# Altium PCB PCB1.PcbDoc (part 2 of 2)
Units mil, origin at the board's own origin, x right, y up, seen from the top; angles counter-clockwise.
Board outline 2485 x 2170 mil, 4 copper layers (Top Layer, Internal Plane 1, Internal Plane 2, Bottom Layer); 41 components, 55 nets, 243 pads, 48 vias.
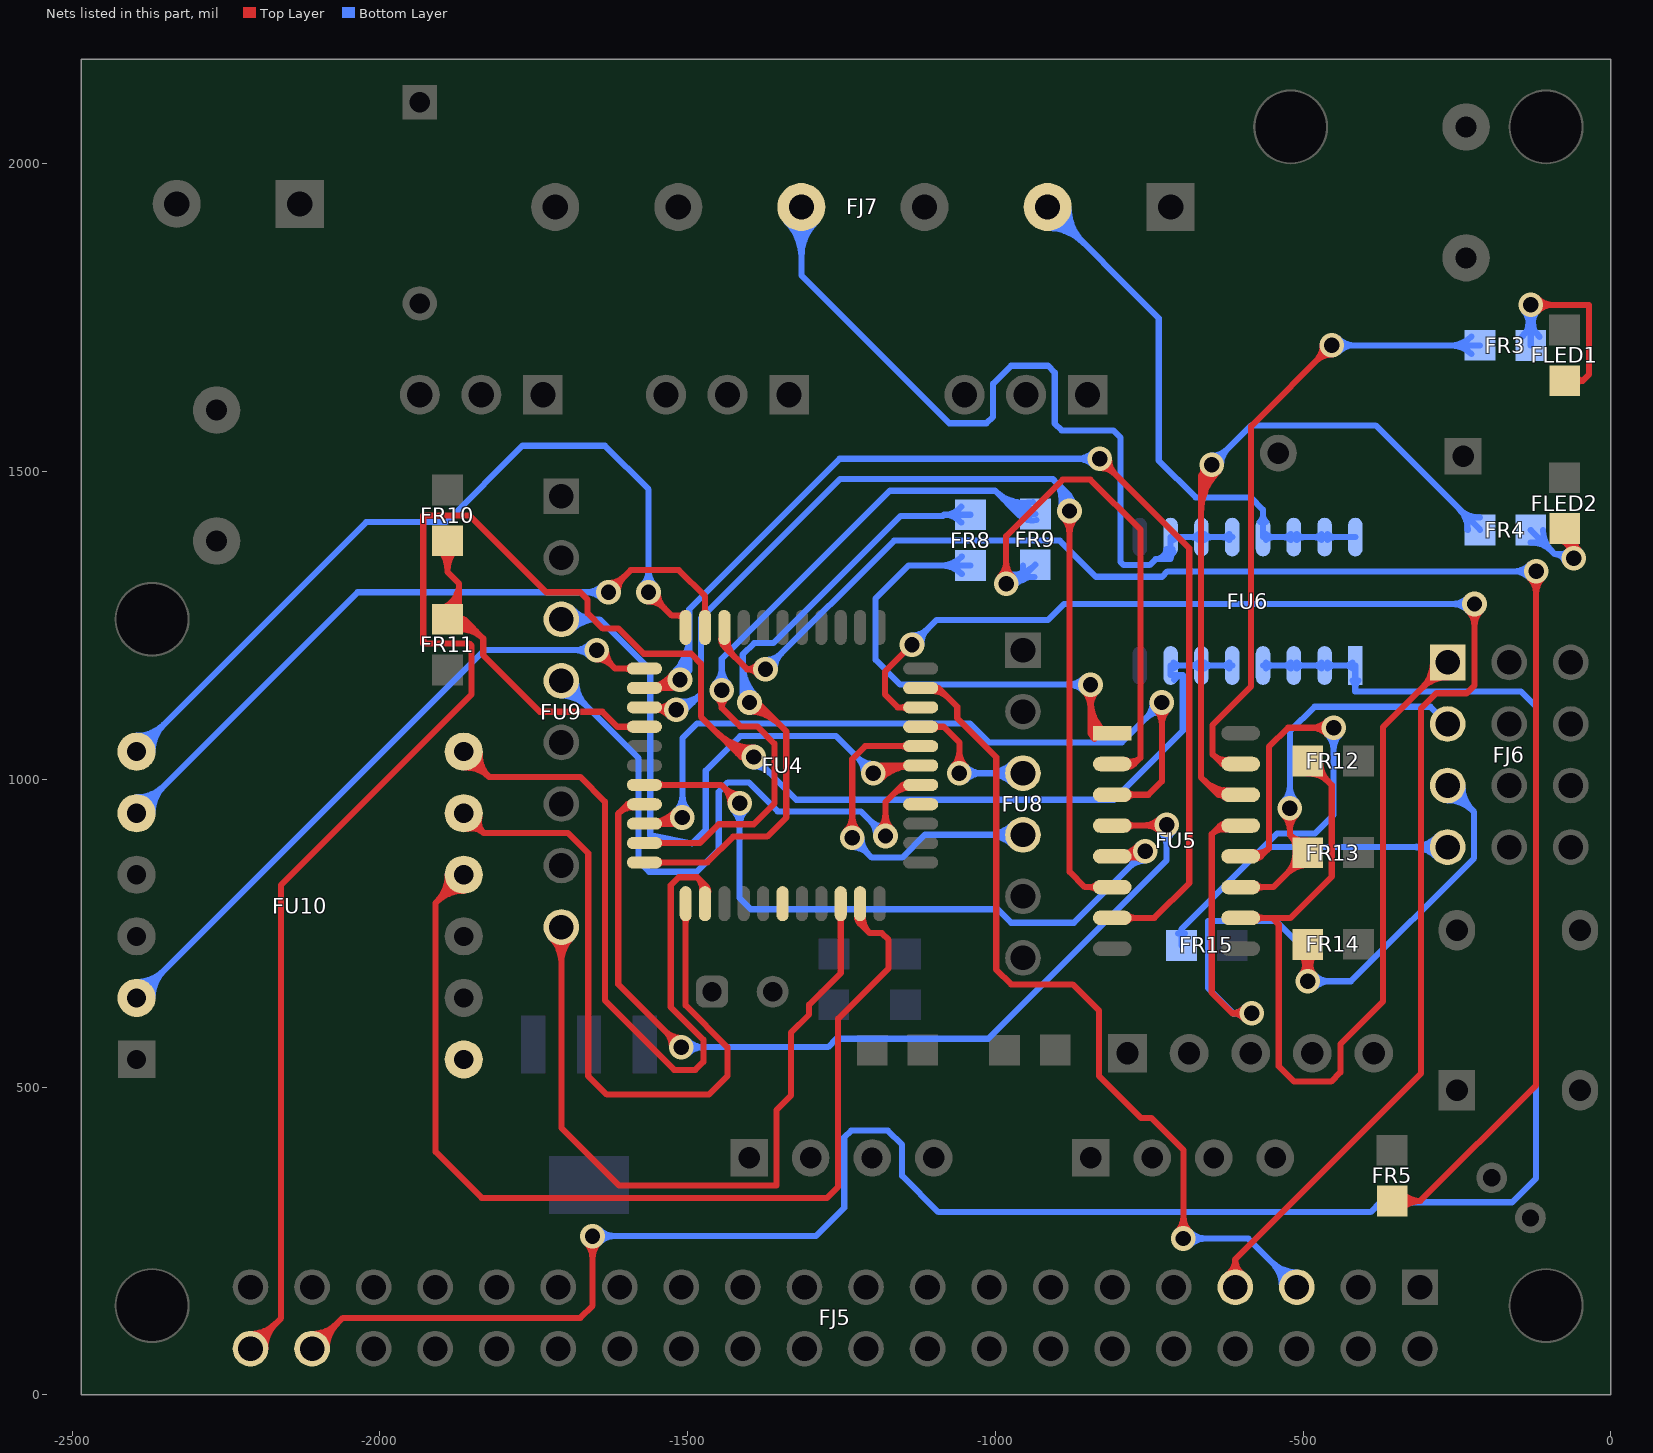
[diagram p4: the nets of this part, all layers, seen from the top]

## Via types
v1: diameter 40, hole 25, Top Layer to Bottom Layer, 48 vias

## Nets (pads, with @x,y where several pads share a name; then routed paths per layer and width w, separated by ;. In a path a pad name is that pad's centre, name@x,y a point inside that pad or via, vN(x,y) a via of type N, cw(c..) or ccw(c..) an arc to the next point about the centre after c; other vN are vias at no path point) (continued)
NetFJ5_5: FJ5.5 FU4.32 | length 1674.8
  Top Layer w10: FU4.32@-1121.18,1148.5 -1092.32,1148.5 ; FU4.32@-1102.48,1143.66 cw(c-1102.48,1107.43) -1076.86,1133.05 ; FU4.32@-1098.72,1145.45 cw(c-1092.32,1140.26) -1092.32,1148.5 ; FU4.32@-1098.72,1151.55 ccw(c-1092.32,1156.75) -1092.32,1148.5 ; v1@-704.9,264.6 ccw(c-730.51,290.21) -694.29,290.21 ccw(c-658.08,290.21) v1@-683.69,264.6 ; v1(-694.29,253.99) -694.29,397.99 -746.29,449.99 -763.29,449.99 -831.29,517.99 -831.29,623.99 -874.29,666.99 -974.29,666.99 -998.29,690.99 -998.29,1036 -1061.8,1099.51 -1061.8,1117.99 -1092.32,1148.5
  Bottom Layer w10: v1(-694.29,253.99) -588.99,253.99 FJ5.5@-510,175 ; v1@-683.69,243.39 cw(c-658.08,217.78) -658.08,253.99 cw(c-658.08,290.21) v1@-683.69,264.6 ; FJ5.5@-534,175 ccw(c-591.94,175) -550.97,215.97 ccw(c-510,256.94) FJ5.5@-510,199 ; FJ5.5@-524,175 ccw(c-557.8,175) -533.9,198.9 ccw(c-510,222.8) FJ5.5@-510,189
NetFJ5_7: FJ5.7 FU4.31 | length 2655.7
  Top Layer w10: FU4.31@-1143.3,1113.58 ccw(c-1151.57,1105.32) -1151.57,1117.01 ccw(c-1151.57,1128.7) FU4.31@-1143.3,1120.43 ; v1(-1135.29,1218.99) -1179.29,1174.99 -1179.29,1137.99 -1158.31,1117.01 FU4.31@-1121.18,1117.01 ; FJ5.7@-623.44,194.88 ccw(c-640.54,220.19) -610,220.19 ; FJ5.7@-610,175 -610,220.19 ; FJ5.7@-596.56,194.88 cw(c-579.46,220.19) -610,220.19 ; v1@-231.9,1274.39 cw(c-257.51,1248.78) -221.29,1248.78 cw(c-185.08,1248.78) v1@-210.69,1274.39 ; v1(-221.29,1284.99) -221.29,1152.99 -234.29,1139.99 -283.29,1139.99 -308.29,1114.99 -308.29,521.9 -610,220.19
  Bottom Layer w10: v1(-1135.29,1218.99) -1095.29,1258.99 -914.29,1258.99 -888.29,1284.99 v1(-221.29,1284.99) ; v1@-1135.29,1233.99 ccw(c-1135.29,1270.21) -1109.69,1244.6 ccw(c-1084.08,1218.99) v1@-1120.29,1218.99 ; v1@-231.9,1274.39 ccw(c-257.51,1248.78) -257.51,1284.99 ccw(c-257.51,1321.21) v1@-231.9,1295.6
NetFJ5_38: FJ5.38 FU6.1 FU6.2 FU6.3 FU6.4 | length 4076.9
  Top Layer w10: FJ5.38@-2110,75 -2060.01,124.99 -1674.29,124.99 -1654.29,144.99 v1(-1654.29,257.99) ; FJ5.38@-2110,89 ccw(c-2110,122.8) -2086.1,98.9 ccw(c-2062.2,75) FJ5.38@-2096,75 ; FJ5.38@-2110,99 ccw(c-2110,156.94) -2069.03,115.97 ccw(c-2028.06,75) FJ5.38@-2086,75 ; v1@-1664.9,247.39 cw(c-1690.51,221.78) -1654.29,221.78 cw(c-1618.08,221.78) v1@-1643.69,247.39
  Bottom Layer w10: v1(-1654.29,257.99) -1291.29,257.99 -1245.29,303.99 -1245.29,418.51 -1234.29,429.51 -1174.29,429.51 -1151.29,406.51 -1151.29,355.99 -1092.29,296.99 -390.29,296.99 -374.29,312.99 -160.19,312.99 -121.29,351.89 -121.29,1117.99 -146.29,1142.99 -415,1142.99 FU6.1@-415,1185 FU6.2@-465,1185 FU6.3@-515,1185 FU6.4@-565,1185 ; v1@-1643.69,247.39 cw(c-1618.08,221.78) -1618.08,257.99 cw(c-1618.08,294.21) v1@-1643.69,268.6 ; FU6.4@-560.18,1180.18 cw(c-548.56,1168.56) -548.56,1185 cw(c-548.56,1201.44) FU6.4@-560.18,1189.82 ; FU6.3@-519.82,1180.18 ccw(c-531.44,1168.56) -531.44,1185 ccw(c-531.44,1201.44) FU6.3@-519.82,1189.82 ; FU6.3@-510.18,1180.18 cw(c-498.56,1168.56) -498.56,1185 cw(c-498.56,1201.44) FU6.3@-510.18,1189.82 ; FU6.2@-469.82,1180.18 ccw(c-481.44,1168.56) -481.44,1185 ccw(c-481.44,1201.44) FU6.2@-469.82,1189.82 ; FU6.2@-460.18,1180.18 cw(c-448.56,1168.56) -448.56,1185 cw(c-448.56,1201.44) FU6.2@-460.18,1189.82 ; FU6.1@-419.82,1160.5 cw(c-431.44,1148.87) -415,1148.87 cw(c-398.56,1148.87) FU6.1@-410.18,1160.5 ; FU6.1@-419.82,1180.18 ccw(c-431.44,1168.56) -431.44,1185 ccw(c-431.44,1201.44) FU6.1@-419.82,1189.82
NetFJ5_40: FJ5.40 FU6.5 FU6.6 FU6.7 | length 3802.9
  Top Layer w10: FJ5.40@-2210,75 -2160.29,124.71 -2160.29,828.5 -1850.8,1137.99 -1850.8,1216.99 -1854.8,1220.99 -1929.29,1220.99 -1929.29,1428.99 -1854.29,1428.99 -1729.29,1303.99 -1674.29,1303.99 -1662.29,1291.99 -1662.29,1269.9 -1637.38,1244.99 -1612.01,1244.99 -1571,1203.99 -1494.29,1203.99 -1478.29,1187.99 -1478.29,1101.99 -1412.67,1036.37 v1(-1392.67,1036.37) ; FJ5.40@-2210,89 ccw(c-2210,122.8) -2186.1,98.9 ccw(c-2162.2,75) FJ5.40@-2196,75 ; FJ5.40@-2210,99 ccw(c-2210,156.94) -2169.03,115.97 ccw(c-2128.06,75) FJ5.40@-2186,75 ; -1452.42,1076.12 ccw(c-1392.67,1135.87) v1@-1392.67,1051.37 ; -1435.35,1059.05 ccw(c-1392.67,1101.73) v1@-1392.67,1041.37 ; -1418.28,1041.98 ccw(c-1392.67,1067.58) v1@-1392.67,1031.37
  Bottom Layer w10: v1@-1392.67,1021.37 cw(c-1392.67,985.16) -1367.06,1010.76 cw(c-1341.46,1036.37) v1@-1377.67,1036.37 ; v1(-1392.67,1036.37) -1323.29,966.99 -807.29,966.99 -695.29,1078.99 -695.29,1169.64 ; FU6.7@-710.18,1180.18 cw(c-698.56,1168.56) -698.56,1185 cw(c-698.56,1201.44) FU6.7@-710.18,1189.82 ; FU6.7@-709.17,1161.8 cw(c-695.29,1153.44) -695.29,1169.64 ; FU6.6@-669.82,1180.18 ccw(c-681.44,1168.56) -681.44,1185 ccw(c-681.44,1201.44) FU6.6@-669.82,1189.82 ; FU6.6@-660.18,1180.18 cw(c-648.56,1168.56) -648.56,1185 cw(c-648.56,1201.44) FU6.6@-660.18,1189.82 ; FU6.5@-619.82,1180.18 ccw(c-631.44,1168.56) -631.44,1185 ccw(c-631.44,1201.44) FU6.5@-619.82,1189.82 ; FU6.5@-615,1185 FU6.6@-665,1185 FU6.7@-715,1185 -715,1169.64 -695.29,1169.64
NetFJ6_1: FJ6.1 FR12.2 FU5.10 | length 1725.9
  Top Layer w10: FU5.10@-601.34,775 -550.29,775 ; FU5.10@-576.84,770.18 cw(c-565.21,758.56) -565.21,775 cw(c-565.21,791.44) FU5.10@-576.84,779.82 ; FR12.2@-492.3,1009.8 cw(c-492.3,961.52) -458.16,995.66 cw(c-424.02,1029.8) FR12.2@-472.3,1029.8 ; FR12.2@-492.3,1029.8 -453.29,990.79 -453.29,841.99 -520.28,775 -550.29,775 ; FJ6.1@-289,1190 cw(c-346.94,1190) -305.97,1149.03 cw(c-265,1108.06) FJ6.1@-265,1166 ; FJ6.1@-279,1190 cw(c-312.8,1190) -288.9,1166.1 cw(c-265,1142.2) FJ6.1@-265,1176 ; FJ6.1@-265,1190 -370.29,1084.71 -370.29,638.99 -439.29,569.99 -439.29,523.99 -454.29,508.99 -514.29,508.99 -539.29,533.99 -539.29,764 -550.29,775
NetFJ6_4: FJ6.4 FR13.2 FU5.11 | length 899.4
  Top Layer w10: FU5.11@-601.34,825 -548.1,825 FR13.2@-492.3,880.8 -521.29,909.79 ; FU5.11@-576.84,820.18 cw(c-565.21,808.56) -565.21,825 cw(c-565.21,841.44) FU5.11@-576.84,829.82 ; v1@-531.9,942.39 cw(c-557.51,916.78) -521.29,916.78 cw(c-485.08,916.78) v1@-510.69,942.39 ; v1(-521.29,952.99) -521.29,909.79 ; FR13.2@-512.3,880.8 cw(c-560.58,880.8) -526.44,846.66 cw(c-492.3,812.52) FR13.2@-492.3,860.8 ; FR13.2@-512.15,883.24 ccw(c-543.93,887.15) -521.29,909.79 ; FR13.2@-494.74,900.65 cw(c-498.65,932.43) -521.29,909.79
  Bottom Layer w10: v1@-531.9,963.6 ccw(c-557.51,989.21) -521.29,989.21 ccw(c-485.08,989.21) v1@-510.69,963.6 ; v1(-521.29,952.99) -521.29,1077.99 -481.29,1117.99 -292.99,1117.99 FJ6.4@-265,1090
NetFJ6_7: FJ6.7 FR14.2 FU5.13 | length 1988.5
  Top Layer w10: -635.55,923.74 cw(c-623.99,912.19) FU5.13@-620.3,928.11 ; FU5.13@-626.56,921.03 ccw(c-634.29,915.48) -634.29,925 ; FU5.13@-626.56,928.97 cw(c-634.29,934.52) -634.29,925 ; FU5.13@-622.56,918.37 ccw(c-628.79,891.5) -648.29,911 ; FU5.13@-601.34,925 -634.29,925 ; v1@-594.97,610.58 ccw(c-614.63,594.75) -614.63,619.99 ; v1@-594.97,629.4 cw(c-614.63,645.24) -614.63,619.99 ; v1(-583.29,619.99) -614.64,619.99 ; FR14.2@-506.44,717.66 cw(c-540.58,683.52) -492.3,683.52 cw(c-444.02,683.52) FR14.2@-478.16,717.66 ; v1@-502.91,682.6 ccw(c-528.51,708.21) -492.3,708.21 ccw(c-456.09,708.21) v1@-481.69,682.6 ; v1@-502.85,682.65 ccw(c-517.37,697.33) -497.43,702.67 ; v1@-499.8,684.98 ccw(c-512.82,707.53) -487.67,700.79 ; -496.93,700.79 ccw(c-471.79,707.53) v1@-484.8,684.98 ; v1(-492.3,671.99) FR14.2@-492.3,731.8 ; -487.17,702.67 ccw(c-467.23,697.32) v1@-481.75,682.65 ; -648.29,911 -648.29,653.65 -614.64,619.99 ; -648.29,911 -634.29,925
  Bottom Layer w10: v1@-595.29,610.99 ccw(c-613.29,597.49) -613.29,619.99 ; v1@-595.29,628.99 cw(c-613.29,642.49) -613.29,619.99 ; v1(-583.29,619.99) -613.29,619.99 ; v1@-502.91,682.6 ccw(c-528.53,708.22) -492.29,708.22 ; -492.29,708.19 ccw(c-456.11,708.19) -481.69,682.6 ccw(c-456.09,708.21) -456.09,671.99 ccw(c-456.09,635.78) v1@-481.69,661.39 ; FJ6.7@-265,966 cw(c-265,908.06) -224.03,949.03 cw(c-183.06,990) FJ6.7@-241,990 ; FJ6.7@-265,976 cw(c-265,942.2) -241.1,966.1 cw(c-217.2,990) FJ6.7@-251,990 ; FJ6.7@-265,990 -222,947 -222,872.19 -422.2,671.99 v1(-492.3,671.99) -492.29,717.99 -544.29,769.99 -654.29,769.99 -654.29,660.99 -613.29,619.99
NetFJ6_10: FJ6.10 FR15.2 FU5.12 | length 1465.3
  Top Layer w10: FU5.12@-601.34,875 -568.28,875 ; FU5.12@-582.51,871.93 ccw(c-578.34,886.85) -567.39,875.89 ; FU5.12@-579.82,881.56 ccw(c-573.06,905.76) -555.29,887.99 ; FU5.12@-576.14,871 cw(c-568.28,865.29) -568.28,875 ; FU5.12@-576.14,879 ccw(c-568.28,884.71) -568.28,875 ; v1@-460.9,1073.39 ccw(c-486.51,1047.78) -486.51,1083.99 ccw(c-486.51,1120.21) v1@-460.9,1094.6 ; v1(-450.29,1083.99) -524.29,1083.99 -555.29,1052.99 -555.29,887.99 ; -568.28,875 -555.29,887.99
  Bottom Layer w10: FR15.2@-702.97,749.38 ccw(c-705.22,756.97) -697.3,756.97 ; FR15.2@-697.3,730.2 -697.3,756.97 ; FR15.2@-691.63,749.38 cw(c-689.38,756.97) -697.3,756.97 ; v1@-460.9,1073.39 cw(c-486.51,1047.78) -450.29,1047.78 cw(c-414.08,1047.78) v1@-439.69,1073.39 ; v1(-450.29,1083.99) -450.29,942.24 -480.34,912.19 -542.09,912.19 -564.27,890 ; FJ6.10@-281.97,873.03 ccw(c-322.94,832.06) -322.94,890 ccw(c-322.94,947.94) FJ6.10@-281.97,906.97 ; FJ6.10@-274.9,880.1 ccw(c-298.8,856.2) -298.8,890 ccw(c-298.8,923.8) FJ6.10@-274.9,899.9 ; FJ6.10@-265,890 -564.27,890 ; -697.3,756.97 -564.27,890
NetFJ7_2: FJ7.2 FU6.13 FU6.14 FU6.15 FU6.16 | length 1258.5
  Bottom Layer w10: FJ7.2@-915,1896 cw(c-915,1813.92) -856.96,1871.96 cw(c-798.92,1930) FJ7.2@-881,1930 ; FJ7.2@-915,1906 cw(c-915,1848.06) -874.03,1889.03 cw(c-833.06,1930) FJ7.2@-891,1930 ; FJ7.2@-915,1930 -734.29,1749.29 -734.29,1517.99 -674.29,1457.99 -585,1457.99 -565,1437.99 FU6.13@-565,1393.66 FU6.14@-515,1393.66 FU6.15@-465,1393.66 FU6.16@-415,1393.66 ; FU6.13@-569.82,1418.16 ccw(c-581.44,1429.79) -565,1429.79 ccw(c-548.56,1429.79) FU6.13@-560.18,1418.16 ; FU6.13@-560.18,1388.85 cw(c-548.56,1377.22) -548.56,1393.66 cw(c-548.56,1410.11) FU6.13@-560.18,1398.48 ; FU6.14@-519.82,1388.85 ccw(c-531.44,1377.22) -531.44,1393.66 ccw(c-531.44,1410.11) FU6.14@-519.82,1398.48 ; FU6.14@-510.18,1388.85 cw(c-498.56,1377.22) -498.56,1393.66 cw(c-498.56,1410.11) FU6.14@-510.18,1398.48 ; FU6.15@-469.82,1388.85 ccw(c-481.44,1377.22) -481.44,1393.66 ccw(c-481.44,1410.11) FU6.15@-469.82,1398.48 ; FU6.15@-460.18,1388.85 cw(c-448.56,1377.22) -448.56,1393.66 cw(c-448.56,1410.11) FU6.15@-460.18,1398.48
NetFJ7_4: FJ7.4 FU6.10 FU6.11 FU6.12 | length 1746.1
  Bottom Layer w10: FJ7.4@-1339.04,1905.96 cw(c-1397.08,1847.92) -1315,1847.92 cw(c-1232.92,1847.92) FJ7.4@-1290.96,1905.96 ; FJ7.4@-1331.97,1913.03 cw(c-1372.94,1872.06) -1315,1872.06 cw(c-1257.06,1872.06) FJ7.4@-1298.03,1913.03 ; FJ7.4@-1315,1930 -1315,1818.7 -1074.8,1578.5 -1014.29,1578.5 -1003.5,1589.29 -1003.5,1642.78 -974.29,1671.99 -914.29,1671.99 -903.29,1660.99 -903.29,1577.99 -892.29,1566.99 -808.29,1566.99 -796.29,1554.99 -796.29,1353.17 -791.29,1348.17 -749.12,1348.17 -739.29,1357.99 ; -728.64,1357.99 ccw(c-728.64,1374.84) FU6.10@-711.82,1373.77 ; FU6.10@-721.8,1374.41 cw(c-739.29,1375.52) -739.29,1357.99 ; FU6.10@-710.18,1388.85 cw(c-698.56,1377.22) -698.56,1393.66 cw(c-698.56,1410.11) FU6.10@-710.18,1398.48 ; FU6.11@-669.82,1388.85 ccw(c-681.44,1377.22) -681.44,1393.66 ccw(c-681.44,1410.11) FU6.11@-669.82,1398.48 ; FU6.11@-660.18,1388.85 cw(c-648.56,1377.22) -648.56,1393.66 cw(c-648.56,1410.11) FU6.11@-660.18,1398.48 ; FU6.12@-619.82,1388.85 ccw(c-631.44,1377.22) -631.44,1393.66 ccw(c-631.44,1410.11) FU6.12@-619.82,1398.48 ; FU6.12@-615,1393.66 FU6.11@-665,1393.66 FU6.10@-715,1393.66 -715,1357.99 ; -739.29,1357.99 -715,1357.99 ; -715,1357.99 cw(c-699.65,1357.99) -710.28,1369.06 ccw(c-699.65,1357.99) -715,1357.99 ; -715,1357.99 ccw(c-730.35,1357.99) -719.72,1369.06 cw(c-730.35,1357.99) -715,1357.99
NetFLED1_K: FLED1.2 FR3.1 | length 617.8
  Top Layer w10: v1(-130,1770.99) -35.29,1770.99 -35.29,1657.99 -45.58,1647.7 ; v1@-119.39,1760.39 cw(c-93.79,1734.78) -93.79,1770.99 cw(c-93.79,1807.21) v1@-119.39,1781.6 ; FLED1.2@-74.8,1647.7 -45.58,1647.7 ; FLED1.2@-56.15,1640.46 cw(c-45.59,1636.36) -45.59,1647.7 ; FLED1.2@-56.15,1654.94 ccw(c-45.59,1659.04) -45.59,1647.7
  Bottom Layer w10: FR3.1@-144.14,1719.14 ccw(c-178.28,1753.28) -130,1753.28 ccw(c-81.72,1753.28) FR3.1@-115.86,1719.14 ; v1@-140.67,1760.45 cw(c-158.16,1743.17) -134.41,1736.81 ; v1@-140.61,1760.39 cw(c-166.21,1734.78) -130,1734.78 cw(c-93.79,1734.78) v1@-119.39,1760.39 ; v1@-137.5,1758 cw(c-147.78,1740.19) -127.92,1745.51 ; -132.08,1745.51 cw(c-112.22,1740.19) v1@-122.5,1758 ; FR3.1@-130,1705 v1(-130,1770.99) ; -125.59,1736.81 cw(c-101.84,1743.17) v1@-119.33,1760.45
NetFLED2_K: FLED2.2 FR4.1 | length 439.2
  Top Layer w10: FLED2.2@-82.18,1389.11 cw(c-94.97,1356.88) v1@-60.29,1356.88 ; FLED2.2@-78.49,1398.41 cw(c-89.12,1371.61) v1@-60.29,1371.61 ; v1@-70.9,1369.6 ccw(c-96.51,1395.21) -60.29,1395.21 ccw(c-24.08,1395.21) v1@-49.69,1369.6 ; v1@-66.44,1372.68 ccw(c-69.19,1378.82) -62.69,1380.56 ccw(c-52.57,1383.27) v1@-55.75,1373.29 ; v1(-60.29,1358.99) -60.29,1407.7 FLED2.2@-74.8,1407.7 cw(c-83.28,1386.33) FLED2.2@-60.29,1386.33
  Bottom Layer w10: FR4.1@-130,1385 cw(c-130,1336.72) -95.86,1370.86 cw(c-61.72,1405) FR4.1@-110,1405 ; FR4.1@-130,1405 -90.99,1365.99 ; -79.61,1365.99 ccw(c-79.61,1378.31) v1@-70.9,1369.6 ; v1@-74.5,1354.17 ccw(c-90.99,1348.57) -90.99,1365.99 ; v1(-60.29,1358.99) -67.29,1365.99 -90.99,1365.99
NetFR3_2: FR3.2 FU5.15 | length 1254.7
  Top Layer w10: FU5.15@-621.78,1031.77 cw(c-625.19,1062.18) -646.83,1040.54 ; FU5.15@-601.34,1025 -631.29,1025 -646.83,1040.54 ; v1@-468.08,1705.2 cw(c-504.3,1705.2) -478.69,1679.59 cw(c-453.08,1653.99) v1@-453.08,1690.2 ; v1(-453.08,1705.2) -584.29,1573.99 -584.29,1150.99 -646.83,1088.45 -646.83,1040.54
  Bottom Layer w10: v1(-453.08,1705.2) FR3.2@-212.3,1705.2 ; v1@-442.48,1694.59 cw(c-416.87,1668.99) -416.87,1705.2 cw(c-416.87,1741.41) v1@-442.48,1715.81 ; FR3.2@-226.44,1691.06 ccw(c-260.58,1656.92) -260.58,1705.2 ccw(c-260.58,1753.48) FR3.2@-226.44,1719.34
NetFR4_2: FR4.2 FU5.14 | length 1548.5
  Top Layer w10: -665.83,1432.43 cw(c-569.73,1432.43) v1@-637.69,1500.39 ; -665.83,1456.57 cw(c-593.87,1456.57) v1@-644.76,1507.46 ; -665.83,1480.71 cw(c-618.01,1480.71) v1@-651.83,1514.53 ; v1@-662.61,1506.53 cw(c-675.03,1502.65) -665.83,1493.45 ; -660.44,998.14 ccw(c-621.02,1037.55) FU5.14@-621.02,981.81 ; v1@-652.76,1496.67 ccw(c-656.63,1484.25) -665.83,1493.45 ; v1(-648.29,1510.99) -665.83,1493.45 ; -643.37,981.07 ccw(c-621.02,1003.41) FU5.14@-621.02,971.81 ; FU5.14@-625.87,970.22 ccw(c-637.3,958.96) -637.3,975 ; FU5.14@-625.87,979.78 cw(c-637.3,991.04) -637.3,975 ; FU5.14@-601.34,975 -637.3,975 ; -665.83,1493.45 -665.83,1003.53 -637.3,975
  Bottom Layer w10: v1(-648.29,1510.99) -584.29,1574.99 -382.09,1574.99 FR4.2@-212.3,1405.2 ; v1@-648.29,1525.99 ccw(c-648.29,1562.21) -622.69,1536.6 ccw(c-597.08,1510.99) v1@-633.29,1510.99 ; FR4.2@-232.3,1405.2 ccw(c-280.58,1405.2) -246.44,1439.34 ccw(c-212.3,1473.48) FR4.2@-212.3,1425.2
NetFR5_1: FR5.1 FU4.42 | length 2973.4
  Top Layer w10: FU4.42@-1445.24,1228.23 ccw(c-1427.63,1228.23) -1440.08,1215.78 ; FU4.42@-1443.5,1224.81 cw(c-1451.77,1216.54) -1440.08,1216.54 cw(c-1428.39,1216.54) FU4.42@-1436.65,1224.81 ; FU4.42@-1440.08,1246.93 -1440.08,1215.78 ; FU4.42@-1435.24,1228.23 ccw(c-1393.48,1228.23) -1423.01,1198.71 ; v1@-1385.29,1169.99 ccw(c-1403.29,1156.49) -1403.29,1178.99 ; v1@-1385.29,1187.99 cw(c-1403.29,1201.49) -1403.29,1178.99 ; v1(-1373.29,1178.99) -1403.29,1178.99 ; FR5.1@-355,315 -309.28,315 ; FR5.1@-340.31,301.43 cw(c-309.29,272.76) -309.29,315 ; FR5.1@-340.31,328.57 ccw(c-309.29,357.24) -309.29,315 ; v1@-131.9,1327.39 cw(c-157.51,1301.78) -121.29,1301.78 cw(c-85.08,1301.78) v1@-110.69,1327.39 ; v1(-121.29,1337.99) -121.29,502.99 -309.28,315 ; -1440.08,1215.78 -1403.29,1178.99
  Bottom Layer w10: v1(-1373.29,1178.99) -1164.29,1387.99 -895.29,1387.99 -836.47,1329.17 -729.01,1329.17 -720.19,1337.99 v1(-121.29,1337.99) ; v1@-1373.29,1193.99 ccw(c-1373.29,1230.21) -1347.69,1204.6 ccw(c-1322.08,1178.99) v1@-1358.29,1178.99 ; v1@-131.9,1327.39 ccw(c-157.51,1301.78) -157.51,1337.99 ccw(c-157.51,1374.21) v1@-131.9,1348.6
NetFR8_1: FR8.1 FU4.11 | length 1290.8
  Top Layer w10: FU4.11@-1570,865.04 -1468.04,865.04 -1426.09,906.99 -1370.67,906.99 -1339.67,937.99 -1339.67,1077.99 -1386.67,1124.99 v1(-1399.29,1124.99) ; FU4.11@-1547.88,861.62 cw(c-1539.61,853.35) -1539.61,865.04 cw(c-1539.61,876.73) FU4.11@-1547.88,868.46 ; v1@-1399.29,1109.99 cw(c-1399.29,1043.31) -1352.14,1090.46 ; v1@-1399.29,1119.99 cw(c-1399.29,1077.45) -1369.21,1107.53
  Bottom Layer w10: -1410.29,1163.62 ccw(c-1360.66,1163.62) v1@-1395.76,1128.53 ; -1410.29,1187.76 ccw(c-1336.52,1187.76) v1@-1388.69,1135.6 ; v1(-1399.29,1124.99) -1410.29,1135.99 -1410.29,1203 -1391.8,1221.49 -1360.38,1221.49 -1153.72,1428.15 -1084.91,1428.15 -1083.07,1430 ; FR8.1@-1055.28,1417.1 ccw(c-1083.06,1393.64) -1083.06,1430 ; FR8.1@-1055.28,1442.9 cw(c-1083.06,1466.36) -1083.06,1430 ; FR8.1@-1040,1430 -1083.07,1430
NetFR8_2: FR8.2 FU5.1 | length 1077
  Top Layer w10: v1@-855.9,1143.39 cw(c-881.51,1117.78) -845.29,1117.78 cw(c-809.08,1117.78) v1@-834.69,1143.39 ; -845.29,1080.84 ccw(c-823.85,1080.84) FU5.1@-839.01,1065.67 ; -845.29,1104.98 ccw(c-799.71,1104.98) FU5.1@-831.94,1072.75 ; -845.29,1129.12 ccw(c-775.56,1129.12) FU5.1@-824.87,1079.82 ; v1(-845.29,1153.99) -845.29,1075 ; FU5.1@-834.68,1070.37 ccw(c-845.29,1060.53) -845.29,1075 ; FU5.1@-834.68,1079.63 cw(c-845.29,1089.47) -845.29,1075 ; FU5.1@-810,1075 -845.29,1075
  Bottom Layer w10: FR8.2@-1054.34,1333.56 ccw(c-1088.48,1299.42) -1088.48,1347.7 ccw(c-1088.48,1395.98) FR8.2@-1054.34,1361.84 ; FR8.2@-1040.2,1347.7 -1140.58,1347.7 -1194.29,1293.99 -1194.29,1193.99 -1154.29,1153.99 v1(-845.29,1153.99) ; v1@-855.9,1143.39 ccw(c-881.51,1117.78) -881.51,1153.99 ccw(c-881.51,1190.21) v1@-855.9,1164.6
NetFR9_1: FR9.1 FU4.10 | length 1494.9
  Top Layer w10: FU4.10@-1570,896.54 -1479.75,896.54 -1449.29,926.99 -1392.29,926.99 -1358.67,960.61 -1358.67,1057.99 -1386.67,1085.99 -1414.29,1085.99 -1444.29,1115.99 ; FU4.10@-1547.88,893.11 cw(c-1539.61,884.85) -1539.61,896.54 cw(c-1539.61,908.23) FU4.10@-1547.88,899.96 ; v1@-1452.96,1132.75 cw(c-1464.82,1115.99) -1444.29,1115.99 ; v1(-1444.29,1144.99) -1444.29,1115.99 ; v1@-1435.62,1132.75 ccw(c-1423.76,1115.99) -1444.29,1115.99
  Bottom Layer w10: v1@-1454.9,1155.6 ccw(c-1480.51,1181.21) -1444.29,1181.21 ccw(c-1408.08,1181.21) v1@-1433.69,1155.6 ; v1(-1444.29,1144.99) -1444.29,1195.87 -1171.16,1469 -1000.29,1469 ; -987.17,1455.88 ccw(c-948.01,1495.04) FR9.1@-936.82,1440.8 ; -974.05,1442.76 ccw(c-943.52,1473.3) FR9.1@-934.8,1431.01 -962.3,1431.01 ; -960.94,1429.65 ccw(c-939.04,1451.55) FR9.1@-932.78,1421.21 ; FR9.1@-953.83,1424.85 ccw(c-962.3,1422.1) -962.3,1431.01 ; FR9.1@-953.83,1437.17 cw(c-962.3,1439.91) -962.3,1431.01 ; FR9.1@-938.84,1450.59 cw(c-952.49,1516.79) -1000.29,1469 ; -1000.29,1469 -962.3,1431.01
NetFR9_2: FR9.2 FU5.2 | length 1168.1
  Top Layer w10: v1@-992.9,1328.6 ccw(c-1018.51,1354.21) -982.29,1354.21 ccw(c-946.08,1354.21) v1@-971.69,1328.6 ; v1(-982.29,1317.99) -982.29,1394.99 -890.29,1486.99 -845.29,1486.99 -764.29,1405.99 -764.29,1035 ; FU5.2@-810,1025 -774.29,1025 ; FU5.2@-791.71,1022.13 ccw(c-785.03,1035.88) -774.22,1025.07 ; FU5.2@-787.34,1031.13 ccw(c-778.53,1049.24) -764.29,1035 ; FU5.2@-785.41,1020.27 cw(c-774.29,1009.56) -774.29,1025 ; FU5.2@-785.41,1029.73 ccw(c-774.29,1040.44) -774.29,1025 ; -774.29,1025 -764.29,1035
  Bottom Layer w10: v1(-982.29,1317.99) v1@-965.71,1317.99 ; v1@-981.71,1322.96 ccw(c-977.16,1361.67) FR9.2@-949.6,1334.11 ; v1@-980.69,1322.73 ccw(c-974.58,1340.81) FR9.2@-958.05,1331.27 ; v1@-980.54,1332.89 ccw(c-974.09,1387.8) FR9.2@-935,1348.71 v1@-965.71,1317.99 ; v1@-971.16,1328.05 ccw(c-960.43,1337.75) FR9.2@-953.2,1325.22 ; FR9.2@-954.94,1347.15 cw(c-991.99,1344.27) v1@-965.71,1317.99 ; FR9.2@-936.55,1328.77 ccw(c-939.43,1291.71) v1@-965.71,1317.99
NetFR10_2: FR10.2 FR11.1 FU4.4 | length 938.3
  Top Layer w10: FR10.2@-1903.94,1373.56 cw(c-1938.08,1339.42) -1889.8,1339.42 cw(c-1841.52,1339.42) FR10.2@-1875.66,1373.56 ; FR11.1@-1897.55,1278.52 ccw(c-1913.63,1318) -1871,1318 ; FR11.1@-1893.77,1269.26 ccw(c-1907.57,1303.13) -1871,1303.13 ; FR10.2@-1889.8,1387.7 -1889.8,1336.8 -1871,1318 ; FR11.1@-1886.81,1250.52 cw(c-1873.26,1210.24) -1843.21,1240.29 ; FR11.1@-1883.62,1241.04 cw(c-1867.52,1193.17) -1831.8,1228.88 ; -1871,1288.25 cw(c-1901.51,1288.25) FR11.1@-1890,1260 ; FR11.1@-1870.88,1254.12 cw(c-1862.92,1251.67) -1862.92,1260 ; FR11.1@-1870.88,1265.88 ccw(c-1862.92,1268.33) -1862.92,1260 ; -1854.62,1251.7 ccw(c-1879,1227.31) FR11.1@-1890,1260 ; FU4.4@-1592.12,1082.09 ccw(c-1600.39,1073.82) -1600.39,1085.51 ccw(c-1600.39,1097.2) FU4.4@-1592.12,1088.94 ; FU4.4@-1570,1085.51 -1613.81,1085.51 -1638.29,1109.99 -1739.99,1109.99 -1831.8,1201.8 -1831.8,1228.88 ; FR11.1@-1890,1260 -1862.92,1260 ; FR11.1@-1890,1260 -1871,1279 -1871,1318 ; -1862.92,1260 -1831.8,1228.88
NetFU4_1: FU4.1 FU10.2 | length 1362.9
  Top Layer w10: v1@-1647.29,1194.99 cw(c-1647.29,1158.78) -1621.69,1184.39 cw(c-1596.08,1209.99) v1@-1632.29,1209.99 ; v1(-1647.29,1209.99) -1617.3,1180 FU4.1@-1570,1180 ; FU4.1@-1592.12,1176.58 ccw(c-1600.39,1168.31) -1600.39,1180 ccw(c-1600.39,1191.69) FU4.1@-1592.12,1183.42
  Bottom Layer w10: FU10.2@-2395,645 -1830.01,1209.99 v1(-1647.29,1209.99) ; FU10.2@-2395,661 ccw(c-2395,699.63) -2367.69,672.31 ccw(c-2340.37,645) FU10.2@-2379,645 ; FU10.2@-2395,671 ccw(c-2395,733.77) -2350.62,689.38 ccw(c-2306.23,645) FU10.2@-2369,645 ; v1@-1657.9,1199.39 ccw(c-1683.51,1173.78) -1683.51,1209.99 ccw(c-1683.51,1246.21) v1@-1657.9,1220.6
NetFU4_2: FU4.2 FU5.7 | length 2273.7
  Top Layer w10: FU4.2@-1549.74,1148.5 ccw(c-1549.74,1190.68) v1@-1516.26,1165.03 ; FU4.2@-1547.88,1145.08 cw(c-1539.61,1136.81) -1539.61,1148.5 cw(c-1539.61,1160.19) FU4.2@-1547.88,1151.93 ; -1529.49,1148.5 ccw(c-1529.49,1175.16) v1@-1508.32,1158.95 ; v1@-1524.2,1171.11 cw(c-1570,1206.19) FU4.2@-1570,1148.5 -1525.78,1148.5 v1(-1512.29,1161.99) ; v1@-830.29,1505.99 cw(c-830.29,1469.78) -804.69,1495.39 cw(c-779.08,1520.99) v1@-815.29,1520.99 ; v1(-830.29,1520.99) -684.83,1375.53 -684.83,831.45 -741.28,775 FU5.7@-810,775 ; FU5.7@-785.5,770.18 cw(c-773.87,758.56) -773.87,775 cw(c-773.87,791.44) FU5.7@-785.5,779.82
  Bottom Layer w10: v1@-1522.9,1172.6 ccw(c-1584.72,1234.42) -1497.29,1234.42 ; v1@-1515.83,1165.53 ccw(c-1560.58,1210.28) -1497.29,1210.28 ; v1(-1512.29,1161.99) -1497.29,1176.99 -1497.29,1276.5 -1252.8,1520.99 v1(-830.29,1520.99) ; v1@-1508.76,1158.46 ccw(c-1536.43,1186.13) -1497.29,1186.13 ; v1@-840.9,1510.39 ccw(c-866.51,1484.78) -866.51,1520.99 ccw(c-866.51,1557.21) v1@-840.9,1531.6
NetFU4_3: FU4.3 FU5.6 | length 2022.7
  Top Layer w10: FU4.3@-1570,1117.01 -1522.31,1117.01 v1(-1518.29,1112.99) ; FU4.3@-1564.2,1117.01 cw(c-1564.2,1067.08) v1@-1528.9,1102.39 ; FU4.3@-1547.88,1113.58 cw(c-1539.61,1105.32) -1539.61,1117.01 cw(c-1539.61,1128.7) FU4.3@-1547.88,1120.43 ; FU4.3@-1544.81,1117.01 ccw(c-1544.81,1139.51) v1@-1528.9,1123.6 ; -1540.06,1117.01 cw(c-1540.06,1091.23) v1@-1521.83,1109.46 ; v1@-889.9,1425.39 cw(c-915.51,1399.78) -879.29,1399.78 cw(c-843.08,1399.78) v1@-868.69,1425.39 ; v1(-879.29,1435.99) -879.29,850 -854.29,825 FU5.6@-810,825 ; FU5.6@-834.5,820.18 ccw(c-846.13,808.56) -846.13,825 ccw(c-846.13,841.44) FU5.6@-834.5,829.82
  Bottom Layer w10: v1(-1518.29,1112.99) -1503.29,1112.99 -1478.29,1137.99 ; v1@-1517.15,1117.86 ccw(c-1510.74,1145.06) -1490.98,1125.3 ; v1@-1514.85,1127.59 ccw(c-1505.91,1165.6) -1478.29,1137.99 ; -894.21,1475.91 cw(c-922.13,1447.99) v1@-884.11,1437.34 ; v1@-893.74,1440.04 ccw(c-941.02,1453.28) -906.3,1488 ; v1@-886.35,1449.23 ccw(c-892.62,1460.99) -879.29,1460.99 ; -882.12,1463.82 cw(c-903.24,1442.7) v1@-874.48,1434.64 ; v1(-879.29,1435.99) -879.29,1460.99 ; v1@-872.23,1449.23 cw(c-865.96,1460.99) -879.29,1460.99 ; -1478.29,1137.99 -1478.29,1262.11 -1252.4,1488 -906.3,1488 ; -906.3,1488 -879.29,1460.99
NetFU4_7: FU4.7 FU5.5 | length 1414.2
  Top Layer w10: FU4.7@-1570,991.02 -1445.32,991.02 v1(-1415.29,960.99) ; FU4.7@-1547.88,987.6 cw(c-1539.61,979.33) -1539.61,991.02 cw(c-1539.61,1002.71) FU4.7@-1547.88,994.45 ; v1@-1430.29,960.99 ccw(c-1466.51,960.99) -1440.9,986.6 ccw(c-1415.29,1012.21) v1@-1415.29,975.99 ; FU5.5@-786.64,875 ccw(c-786.64,911.94) v1@-759.91,886.44 ; FU5.5@-785.5,870.18 cw(c-773.87,858.56) -773.87,875 cw(c-773.87,891.44) FU5.5@-785.5,879.82 ; FU5.5@-783.06,872.54 cw(c-776.49,848.01) v1@-763.79,870 ; v1@-767.15,893.35 cw(c-810,934.22) FU5.5@-810,875 -764.28,875 v1(-756.29,882.99)
  Bottom Layer w10: v1@-1425.9,950.39 cw(c-1451.51,924.78) -1415.29,924.78 cw(c-1379.08,924.78) v1@-1404.69,950.39 ; v1(-1415.29,960.99) -1415.29,807.19 -1397.09,788.99 -996.29,788.99 -974.29,766.99 -872.29,766.99 v1(-756.29,882.99) ; v1@-771.29,882.99 cw(c-807.51,882.99) -781.9,857.39 cw(c-756.29,831.78) v1@-756.29,867.99
NetFU4_8: FU4.8 FU5.4 | length 1810.2
  Top Layer w10: -1611.63,945.19 cw(c-1588.7,922.25) FU4.8@-1588.7,954.69 ; FU4.8@-1570,959.53 -1597.29,959.53 -1612.54,944.28 -1612.54,667.24 v1(-1510.3,565) ; v1@-1525.3,565 ccw(c-1561.51,565) -1535.91,590.61 ccw(c-1510.3,616.21) v1@-1510.3,580 ; FU5.4@-810,925 -722.49,925 v1(-721.5,925.99) ; FU5.4@-785.5,920.18 cw(c-773.87,908.56) -773.87,925 cw(c-773.87,941.44) FU5.4@-785.5,929.82 ; -760.11,925 ccw(c-760.11,964.6) v1@-732.11,936.6 ; -755.32,925 cw(c-755.32,892.17) v1@-732.11,915.39
  Bottom Layer w10: v1(-1510.3,565) -1271.57,565 -1258.06,578.51 -1011.48,578.51 -721.5,868.49 v1(-721.5,925.99) ; v1@-1499.69,554.39 cw(c-1474.09,528.79) -1474.09,565 cw(c-1474.09,601.21) v1@-1499.69,575.61 ; v1@-732.11,915.39 cw(c-757.72,889.78) -721.5,889.78 cw(c-685.29,889.78) v1@-710.9,915.39
NetFU4_9: FU4.9 FU5.3 | length 1547.5
  Top Layer w10: FU4.9@-1570,928.03 -1518.25,928.03 v1(-1508.29,937.99) ; FU4.9@-1568.55,928.03 ccw(c-1568.55,998.25) v1@-1518.9,948.6 ; FU4.9@-1547.88,924.61 cw(c-1539.61,916.34) -1539.61,928.03 cw(c-1539.61,939.72) FU4.9@-1547.88,931.46 ; FU4.9@-1544.41,928.03 ccw(c-1544.41,974.11) v1@-1511.83,941.53 ; FU5.3@-810,975 -751.29,975 -729.29,997 v1(-729.29,1124.99) ; FU5.3@-785.5,970.18 cw(c-773.87,958.56) -773.87,975 cw(c-773.87,991.44) FU5.3@-785.5,979.82 ; v1@-739.9,1114.39 cw(c-765.51,1088.78) -729.29,1088.78 cw(c-693.08,1088.78) v1@-718.69,1114.39
  Bottom Layer w10: v1@-1518.9,948.6 ccw(c-1544.51,974.21) -1508.29,974.21 ccw(c-1472.08,974.21) v1@-1497.69,948.6 ; v1(-1508.29,937.99) -1508.29,1066.99 -1484.29,1090.99 -1041.29,1090.99 -1010.29,1059.99 -794.29,1059.99 v1(-729.29,1124.99) ; v1@-744.29,1124.99 cw(c-780.51,1124.99) -754.9,1099.39 cw(c-729.29,1073.78) v1@-729.29,1109.99
NetFU4_12: FU4.12 FU10.8 | length 1223.8
  Top Layer w10: FU10.8@-1863.5,945 -1831.5,912.99 ; FU10.8@-1856.89,919.86 cw(c-1850.17,894.32) -1831.5,912.99 ; FU10.8@-1838.36,938.38 ccw(c-1812.83,931.66) -1831.5,912.99 ; FU4.12@-1506.49,775.99 cw(c-1514.76,767.72) -1503.07,767.72 cw(c-1491.38,767.72) FU4.12@-1499.65,775.99 ; FU4.12@-1503.07,798.11 -1503.07,632.77 -1435.29,564.99 -1435.29,517.99 -1465.5,487.78 -1631.08,487.78 -1661.29,517.99 -1661.29,879.99 -1694.29,912.99 -1831.5,912.99
NetFU4_13: FU4.13 FU10.7 | length 1399.3
  Top Layer w10: FU10.7@-1863.5,1045 -1822.5,1003.99 ; FU10.7@-1862.58,1029.03 cw(c-1860.75,997.28) -1838.27,1019.77 cw(c-1815.79,1042.25) FU10.7@-1847.53,1044.08 ; FU10.7@-1862.01,1019.04 cw(c-1859.04,967.46) -1822.5,1003.99 ; FU10.7@-1837.55,1043.5 ccw(c-1785.96,1040.53) -1822.5,1003.99 ; FU4.13@-1476.37,817.47 ccw(c-1504.03,821.25) -1484.29,840.99 ; FU4.13@-1474.95,820.28 ccw(c-1482.72,828.27) -1471.57,828.27 ; FU4.13@-1471.57,798.11 -1471.57,828.27 ; -1470.04,826.74 cw(c-1478.96,817.82) FU4.13@-1466.46,816.11 ; FU4.13@-1468.2,820.28 cw(c-1460.43,828.27) -1471.57,828.27 ; -1822.5,1003.99 -1674.29,1003.99 -1634.29,963.99 -1634.29,640.85 -1521.44,527.99 -1487.44,527.99 -1474.29,541.14 -1474.29,577.12 -1527.29,630.12 -1527.29,827.99 -1514.29,840.99 -1484.29,840.99 ; -1484.29,840.99 -1471.57,828.27
NetFU4_17: FU4.17
NetFU4_20: FU4.20 FU9.8 | length 1378.6
  Top Layer w10: FU9.8@-1721.97,743.03 cw(c-1762.94,702.06) -1705,702.06 cw(c-1647.06,702.06) FU9.8@-1688.03,743.03 ; FU9.8@-1714.9,750.1 cw(c-1738.8,726.2) -1705,726.2 cw(c-1671.2,726.2) FU9.8@-1695.1,750.1 ; FU9.8@-1705,760 -1705,433.7 -1611.29,339.99 -1355.29,339.99 -1355.29,462.86 -1332,486.15 -1332,588.57 -1302.57,617.99 -1302.57,633.71 -1251.1,685.18 FU4.20@-1251.1,798.11 ; FU4.20@-1254.53,775.99 cw(c-1262.79,767.72) -1251.1,767.72 cw(c-1239.41,767.72) FU4.20@-1247.68,775.99
NetFU4_21: FU4.21 FU10.9 | length 1911.4
  Top Layer w10: FU10.9@-1889.5,845 cw(c-1952.27,845) -1907.89,800.62 cw(c-1863.5,756.23) FU10.9@-1863.5,819 ; FU10.9@-1879.5,845 cw(c-1918.13,845) -1890.82,817.69 cw(c-1863.5,790.37) FU10.9@-1863.5,829 ; FU10.9@-1863.5,845 -1909.29,799.21 -1909.29,394.99 -1834.29,319.99 -1273.29,319.99 -1255.29,337.99 -1255.29,610.99 -1173.29,692.99 -1173.29,739.3 -1184.29,750.3 -1204.29,750.3 ; FU4.21@-1224.75,779.85 ccw(c-1206.71,778.32) -1219.51,765.52 ; FU4.21@-1223.03,775.99 cw(c-1231.3,767.72) -1219.61,767.72 cw(c-1207.92,767.72) FU4.21@-1216.18,775.99 ; FU4.21@-1219.61,798.11 -1219.61,765.62 -1204.29,750.3 ; FU4.21@-1214.78,779 ccw(c-1178.66,775.94) -1204.29,750.3
NetFU4_26: FU4.26
NetFU4_27: FU4.27 FU9.4 | length 1332.1
  Top Layer w10: v1@-1188.9,918.6 ccw(c-1214.51,944.21) -1178.29,944.21 ccw(c-1142.08,944.21) v1@-1167.69,918.6 ; v1(-1178.29,907.99) -1178.29,963.42 -1150.69,991.02 ; -1166.6,975.11 cw(c-1139.88,948.39) FU4.27@-1139.88,986.18 ; FU4.27@-1143.49,987.8 ccw(c-1150.69,981.38) -1150.69,991.02 ; FU4.27@-1143.49,994.25 cw(c-1150.69,1000.67) -1150.69,991.02 ; FU4.27@-1121.18,991.02 -1150.69,991.02
  Bottom Layer w10: FU9.4@-1705,1136 cw(c-1705,1078.06) -1664.03,1119.03 cw(c-1623.06,1160) FU9.4@-1681,1160 ; FU9.4@-1705,1146 cw(c-1705,1112.2) -1681.1,1136.1 cw(c-1657.2,1160) FU9.4@-1691,1160 ; FU9.4@-1705,1160 -1579.5,1034.5 -1579.5,867.2 -1562.29,849.99 -1485.29,849.99 -1449.29,885.99 -1449.29,979.99 -1434.29,994.99 -1400.29,994.99 -1353.29,947.99 -1218.29,947.99 v1(-1178.29,907.99) ; v1@-1193.29,907.99 ccw(c-1229.51,907.99) -1203.9,933.6 ccw(c-1178.29,959.21) v1@-1178.29,922.99
NetFU4_28: FU4.28 FU9.3 | length 1394.9
  Top Layer w10: v1@-1201.83,1013.56 cw(c-1180.2,991.93) -1180.2,1022.52 ; v1(-1198.29,1010.02) -1185.8,1022.52 FU4.28@-1121.18,1022.52 ; v1@-1194.76,1006.49 cw(c-1156.05,967.78) -1156.05,1022.52 ; v1@-1187.69,999.42 cw(c-1131.91,943.64) FU4.28@-1131.91,1022.52 ; FU4.28@-1143.3,1019.1 ccw(c-1151.57,1010.83) -1151.57,1022.52 ccw(c-1151.57,1034.21) FU4.28@-1143.3,1025.94
  Bottom Layer w10: FU9.3@-1705,1260 -1642.72,1260 -1560.5,1177.78 -1560.5,909.2 -1492.5,895.89 -1470.39,917.99 -1470.39,1014.27 -1414.29,1070.37 -1258.64,1070.37 v1(-1198.29,1010.02) ; FU9.3@-1695.1,1250.1 cw(c-1671.2,1226.2) -1671.2,1260 cw(c-1671.2,1293.8) FU9.3@-1695.1,1269.9 ; FU9.3@-1688.03,1243.03 cw(c-1647.06,1202.06) -1647.06,1260 cw(c-1647.06,1317.94) FU9.3@-1688.03,1276.97 ; v1@-1213.29,1010.02 ccw(c-1249.51,1010.02) -1223.9,1035.63 ccw(c-1198.29,1061.24) v1@-1198.29,1025.02
NetFU4_29: FU4.29 FU8.4 | length 829.9
  Top Layer w10: v1@-1242.9,915.6 ccw(c-1268.51,941.21) -1232.29,941.21 ccw(c-1196.08,941.21) v1@-1221.69,915.6 ; v1(-1232.29,904.99) -1232.29,1032.99 -1211.27,1054.02 FU4.29@-1121.18,1054.02 ; FU4.29@-1143.3,1050.59 ccw(c-1151.57,1042.33) -1151.57,1054.02 ccw(c-1151.57,1065.71) FU4.29@-1143.3,1057.44
  Bottom Layer w10: v1@-1232.29,889.99 cw(c-1232.29,853.78) -1206.69,879.39 cw(c-1181.08,904.99) v1@-1217.29,904.99 ; v1(-1232.29,904.99) -1200.29,872.99 -1151.3,872.99 -1114.29,910 FU8.4@-955,910 ; FU8.4@-971.97,893.03 ccw(c-1012.94,852.06) -1012.94,910 ccw(c-1012.94,967.94) FU8.4@-971.97,926.97 ; FU8.4@-964.9,900.1 ccw(c-988.8,876.2) -988.8,910 ccw(c-988.8,943.8) FU8.4@-964.9,919.9
NetFU4_30: FU4.30 FU8.3 | length 503
  Top Layer w10: FU4.30@-1121.18,1085.51 -1083.81,1085.51 -1058.3,1060 v1(-1058.3,1010) ; FU4.30@-1099.06,1082.09 cw(c-1090.79,1073.82) -1090.79,1085.51 cw(c-1090.79,1097.2) FU4.30@-1099.06,1088.94 ; v1@-1068.91,1020.61 ccw(c-1094.51,1046.21) -1058.3,1046.21 ccw(c-1022.09,1046.21) v1@-1047.69,1020.61
  Bottom Layer w10: v1(-1058.3,1010) FU8.3@-955,1010 ; v1@-1047.69,999.39 cw(c-1022.09,973.79) -1022.09,1010 cw(c-1022.09,1046.21) v1@-1047.69,1020.61 ; FU8.3@-971.97,993.03 ccw(c-1012.94,952.06) -1012.94,1010 ccw(c-1012.94,1067.94) FU8.3@-971.97,1026.97 ; FU8.3@-964.9,1000.1 ccw(c-988.8,976.2) -988.8,1010 ccw(c-988.8,1043.8) FU8.3@-964.9,1019.9
NetFU4_43: FU4.43 FU10.5 | length 1446.5
  Top Layer w10: v1(-1628.29,1303.99) -1592.29,1339.99 -1514.29,1339.99 -1471.57,1297.27 FU4.43@-1471.57,1246.93 ; v1@-1628.29,1318.99 ccw(c-1628.29,1355.21) -1602.69,1329.6 ccw(c-1577.08,1303.99) v1@-1613.29,1303.99 ; FU4.43@-1475,1269.05 ccw(c-1483.26,1277.32) -1471.57,1277.32 ccw(c-1459.88,1277.32) FU4.43@-1468.15,1269.05
  Bottom Layer w10: FU10.5@-2395,945 -2036.01,1303.99 v1(-1628.29,1303.99) ; FU10.5@-2395,961 ccw(c-2395,999.63) -2367.69,972.31 ccw(c-2340.37,945) FU10.5@-2379,945 ; FU10.5@-2395,971 ccw(c-2395,1033.77) -2350.62,989.38 ccw(c-2306.23,945) FU10.5@-2369,945 ; v1@-1638.9,1293.39 ccw(c-1664.51,1267.78) -1664.51,1303.99 ccw(c-1664.51,1340.21) v1@-1638.9,1314.6
NetFU4_44: FU4.44 FU10.6 | length 1620.4
  Top Layer w10: v1@-1563.29,1288.99 cw(c-1563.29,1252.78) -1537.69,1278.39 cw(c-1512.08,1303.99) v1@-1548.29,1303.99 ; v1(-1563.29,1303.99) -1525.29,1265.99 -1503.07,1265.99 FU4.44@-1503.07,1246.93 ; -1515.63,1265.99 cw(c-1515.63,1253.07) FU4.44@-1506.49,1262.21 ; -1513.89,1265.99 ccw(c-1513.89,1276.45) FU4.44@-1506.49,1269.05
  Bottom Layer w10: FU10.6@-2395,1045 -2022.01,1417.99 -1892.29,1417.99 -1768.29,1541.99 -1634.29,1541.99 -1563.29,1470.99 v1(-1563.29,1303.99) ; FU10.6@-2395,1061 ccw(c-2395,1099.63) -2367.69,1072.31 ccw(c-2340.37,1045) FU10.6@-2379,1045 ; FU10.6@-2395,1071 ccw(c-2395,1133.77) -2350.62,1089.38 ccw(c-2306.23,1045) FU10.6@-2369,1045 ; v1@-1573.9,1314.6 ccw(c-1599.51,1340.21) -1563.29,1340.21 ccw(c-1527.08,1340.21) v1@-1552.69,1314.6
NetFU10_12: FU10.12
pads on no net: FJ5.1 FJ5.11 FJ5.12 FJ5.13 FJ5.15 FJ5.16 FJ5.17 FJ5.18 FJ5.19 FJ5.20 FJ5.21 FJ5.22 FJ5.23 FJ5.24 FJ5.25 FJ5.26 FJ5.27 FJ5.28 FJ5.29 FJ5.31 FJ5.32 FJ5.33 FJ5.35 FJ5.36 FJ5.37 FJ5.39 FJ6.2 FJ6.5 FJ6.8 FJ6.11 FU3.4 FU4.5 FU4.15 FU4.22 FU4.23 FU4.34 FU4.35 FU4.36 FU4.37 FU4.38 FU4.40 FU4.41 FU9.5 FU9.6 FU9.7 FU10.3 FU10.4 FU10.10 FU10.11

## Polygon pours and split planes (outlines as drawn)
no net on Internal Plane 1 (split plane): -20.1,20.1 -2464.9,20.1 -2464.9,2149.9 -20.1,2149.9
no net on Internal Plane 2 (split plane): -20.1,20.1 -2464.9,20.1 -2464.9,2149.9 -20.1,2149.9

## Silkscreen, mask and mechanical layers (free items; w line width, h text height)
Top Overlay:
  text "AA" at -1760,560 h60
  text "FRZ_V02" at -2085,330 h133
Bottom Overlay:
  text "FRZ_V02" at -1915,345 h133

## Text inside footprints (layer, text, board x,y; h text height)
FB1: Top Overlay "+" at -250,1625 h54 r180; Bottom Overlay "+" at -305,1595 h55 r180
FBT1: Top Overlay "左连右" at -50,595 h22 r92.73; Top Overlay "左连右" at -245,600 h22 r90
FC3: Top Overlay "+" at -1440,595 h39.37 r90; Bottom Overlay "+" at -1440,595 h39.37 r90
FD1: Top Overlay "+" at -1955,2035 h39.37; Bottom Overlay "+" at -1935,2030 h39.37
FJ3: Top Overlay "卡扣" at -820,450 h55; Top Overlay "卡扣" at -640,450 h55
FJ4: Top Overlay "卡扣" at -1375,450 h55; Top Overlay "卡扣" at -1195,450 h55
FLED1: Top Overlay "+" at -94,1779 h30 r270
FLED2: Top Overlay "+" at -94,1539 h30 r270
FR1: Top Overlay "+" at -1034,541 h30
FR2: Top Overlay "+" at -1249,541 h30
FR3: Bottom Overlay "+" at -81,1686 h30
FR4: Bottom Overlay "+" at -81,1386 h30
FR5: Top Overlay "+" at -336,266 h30 r90
FR6: Bottom Overlay "+" at -1281.37,585 h30 r270
FR7: Bottom Overlay "+" at -1164.71,585 h30 r270
FR8: Bottom Overlay "+" at -1021,1479 h30 r90
FR9: Bottom Overlay "+" at -915.8,1480.01 h30 r90
FR10: Top Overlay "+" at -1909,1519 h30 r270
FR11: Top Overlay "+" at -1909,1309 h30 r270
FR12: Top Overlay "+" at -361,1049 h30 r180
FR13: Top Overlay "+" at -361,900 h30 r180
FR14: Top Overlay "+" at -361,751 h30 r180
FR15: Bottom Overlay "+" at -566,711 h30
FU3: Bottom Overlay "3" at -1565,640 h44 r90; Bottom Overlay "2" at -1650,645 h44 r90; Bottom Overlay "1" at -1735,640 h44 r90
FU10: Top Overlay "10,GPIO1" at -1905,762 h66 r180; Top Overlay "4,GPIO2" at -2355,830 h66; Top Overlay "9,nIRQ" at -1905,858.43 h66 r180; Top Overlay "3,GPIO3" at -2355,725 h66; Top Overlay "8,SCK" at -1905,964 h66 r180; Top Overlay "7,MISO" at -1905,1065 h66 r180; Top Overlay "6,MOSI" at -2355,1030 h66; Top Overlay "5,nSEL" at -2355,930 h66; Top Overlay "11,GPIO0" at -1905,661 h66 r180; Top Overlay "12,V3.3V" at -1905,560 h66 r180; Top Overlay "2,SDN" at -2355,630 h66; Top Overlay "1,GND" at -2355,525 h66